# Altium PCB PCB1.PcbDoc (part 9 of 15) (continued)
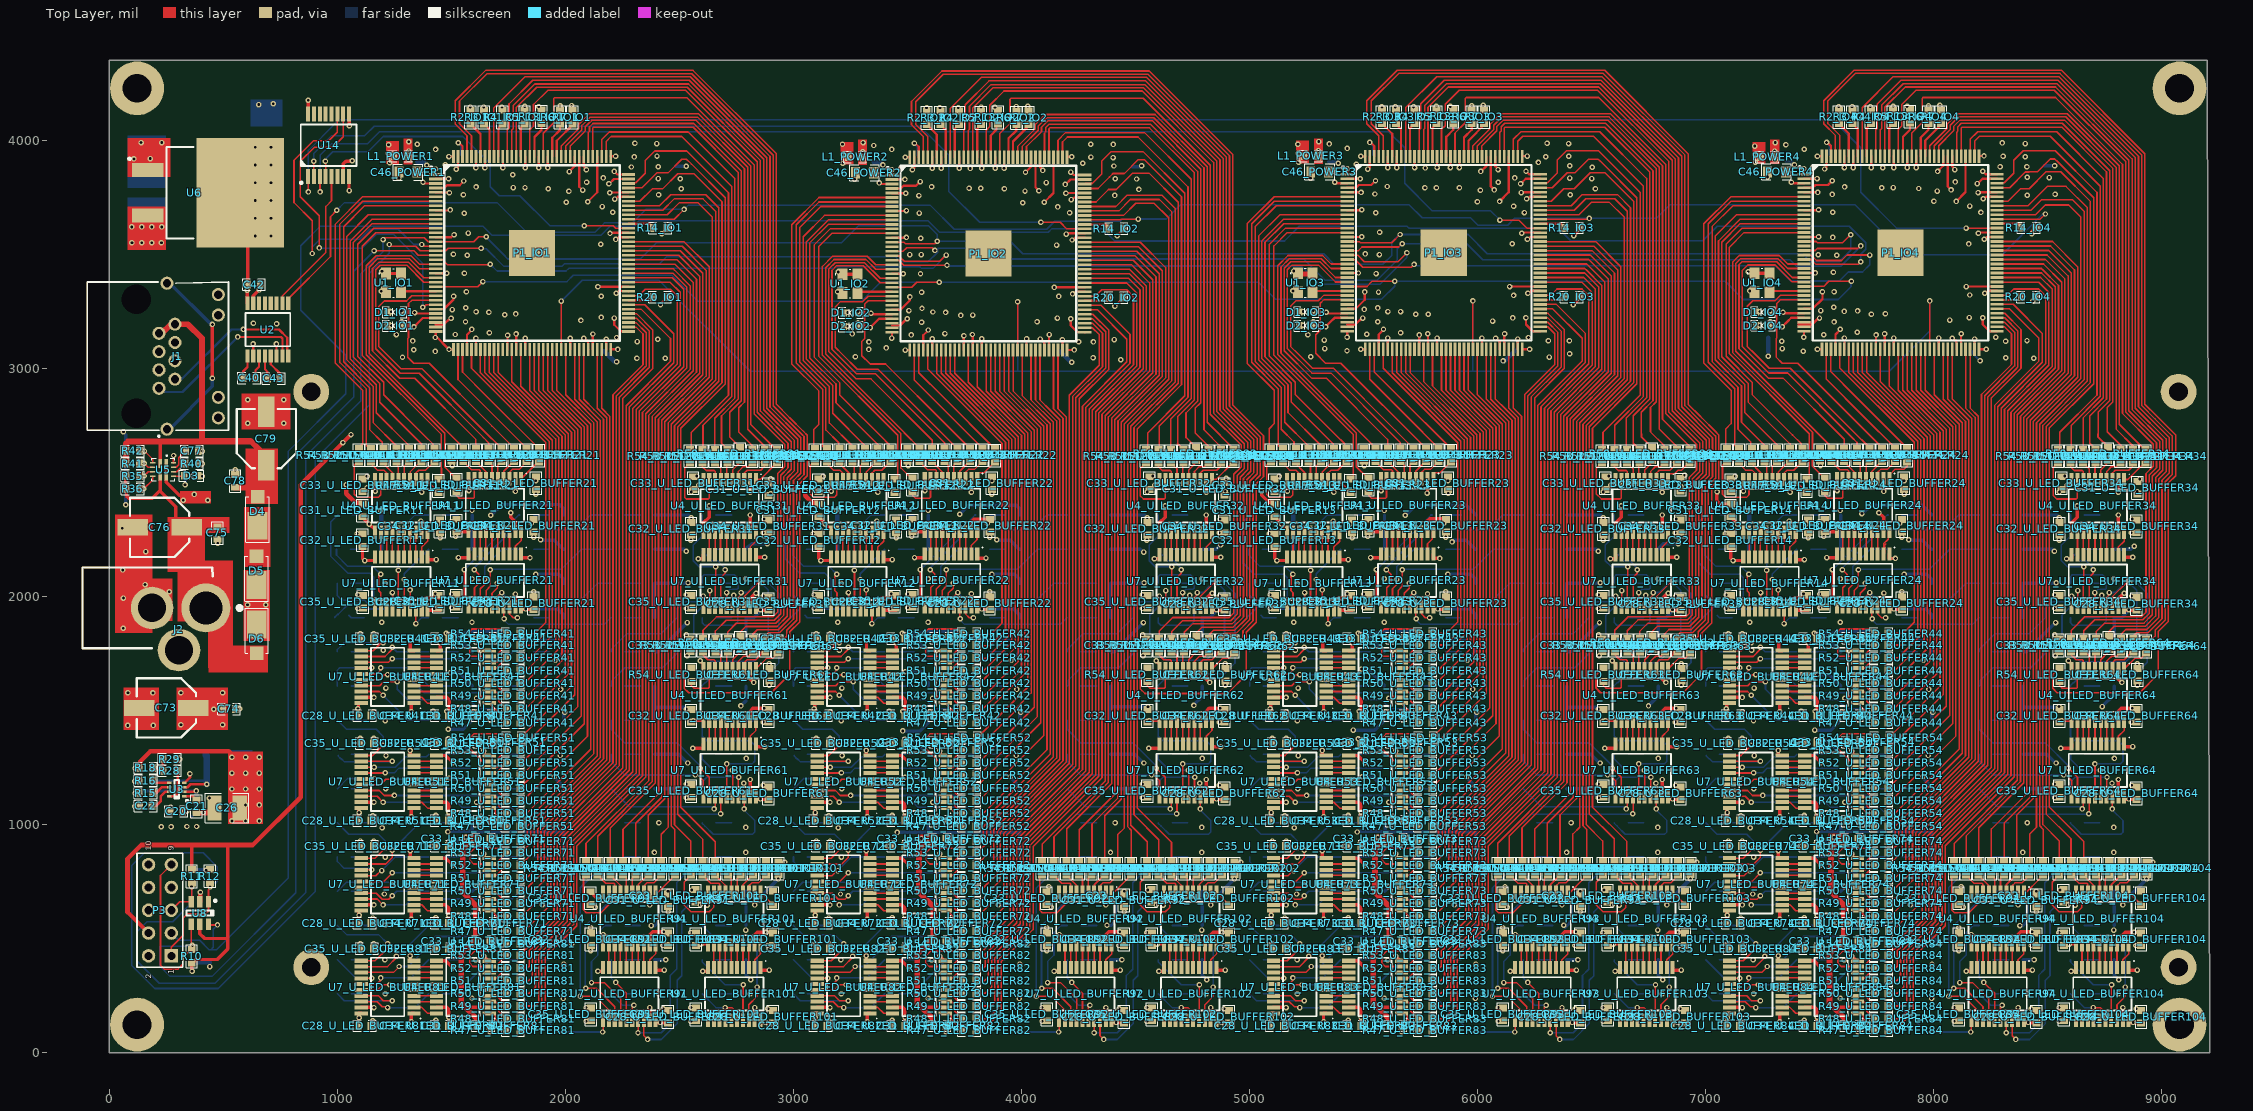
[diagram p0: Top Layer view]
## Nets (pads, with @x,y where several pads share a name; then routed paths per layer and width w, separated by ;. In a path a pad name is that pad's centre, name@x,y a point inside that pad or via, vN(x,y) a via of type N, cw(c..) or ccw(c..) an arc to the next point about the centre after c; other vN are vias at no path point) (continued)
NetD11_U_LED_BUFFER43_2: D11_U_LED_BUFFER43.2 R26_U_LED_BUFFER43.1 | length 68.5
  Bottom Layer w7: R26_U_LED_BUFFER43.1@5060.63,1607.16 D11_U_LED_BUFFER43.2@5129.14,1607.16
NetD11_U_LED_BUFFER44_2: D11_U_LED_BUFFER44.2 R26_U_LED_BUFFER44.1 | length 68.5
  Bottom Layer w7: R26_U_LED_BUFFER44.1@7060.63,1607.16 D11_U_LED_BUFFER44.2@7129.14,1607.16
NetD11_U_LED_BUFFER51_2: D11_U_LED_BUFFER51.2 R26_U_LED_BUFFER51.1 | length 68.5
  Bottom Layer w7: R26_U_LED_BUFFER51.1@1860.63,1307.16 D11_U_LED_BUFFER51.2@1929.14,1307.16
NetD11_U_LED_BUFFER52_2: D11_U_LED_BUFFER52.2 R26_U_LED_BUFFER52.1 | length 68.5
  Bottom Layer w7: R26_U_LED_BUFFER52.1@3860.63,1307.16 D11_U_LED_BUFFER52.2@3929.14,1307.16
NetD11_U_LED_BUFFER53_2: D11_U_LED_BUFFER53.2 R26_U_LED_BUFFER53.1 | length 68.5
  Bottom Layer w7: R26_U_LED_BUFFER53.1@5860.63,1307.16 D11_U_LED_BUFFER53.2@5929.14,1307.16
NetD11_U_LED_BUFFER54_2: D11_U_LED_BUFFER54.2 R26_U_LED_BUFFER54.1 | length 68.5
  Bottom Layer w7: R26_U_LED_BUFFER54.1@7860.63,1307.16 D11_U_LED_BUFFER54.2@7929.14,1307.16
NetD11_U_LED_BUFFER61_2: D11_U_LED_BUFFER61.2 R26_U_LED_BUFFER61.1 | length 68.5
  Bottom Layer w7: R26_U_LED_BUFFER61.1@2260.63,1007.16 D11_U_LED_BUFFER61.2@2329.14,1007.16
NetD11_U_LED_BUFFER62_2: D11_U_LED_BUFFER62.2 R26_U_LED_BUFFER62.1 | length 68.5
  Bottom Layer w7: R26_U_LED_BUFFER62.1@4260.63,1007.16 D11_U_LED_BUFFER62.2@4329.14,1007.16
NetD11_U_LED_BUFFER63_2: D11_U_LED_BUFFER63.2 R26_U_LED_BUFFER63.1 | length 68.5
  Bottom Layer w7: R26_U_LED_BUFFER63.1@6260.63,1007.16 D11_U_LED_BUFFER63.2@6329.14,1007.16
NetD11_U_LED_BUFFER64_2: D11_U_LED_BUFFER64.2 R26_U_LED_BUFFER64.1 | length 68.5
  Bottom Layer w7: R26_U_LED_BUFFER64.1@8260.63,1007.16 D11_U_LED_BUFFER64.2@8329.14,1007.16
NetD11_U_LED_BUFFER71_2: D11_U_LED_BUFFER71.2 R26_U_LED_BUFFER71.1 | length 68.5
  Bottom Layer w7: R26_U_LED_BUFFER71.1@1460.63,857.16 D11_U_LED_BUFFER71.2@1529.14,857.16
NetD11_U_LED_BUFFER72_2: D11_U_LED_BUFFER72.2 R26_U_LED_BUFFER72.1 | length 68.5
  Bottom Layer w7: R26_U_LED_BUFFER72.1@3460.63,857.16 D11_U_LED_BUFFER72.2@3529.14,857.16
NetD11_U_LED_BUFFER73_2: D11_U_LED_BUFFER73.2 R26_U_LED_BUFFER73.1 | length 68.5
  Bottom Layer w7: R26_U_LED_BUFFER73.1@5460.63,857.16 D11_U_LED_BUFFER73.2@5529.14,857.16
NetD11_U_LED_BUFFER74_2: D11_U_LED_BUFFER74.2 R26_U_LED_BUFFER74.1 | length 68.5
  Bottom Layer w7: R26_U_LED_BUFFER74.1@7460.63,857.16 D11_U_LED_BUFFER74.2@7529.14,857.16
NetD11_U_LED_BUFFER81_2: D11_U_LED_BUFFER81.2 R26_U_LED_BUFFER81.1 | length 68.5
  Bottom Layer w7: R26_U_LED_BUFFER81.1@1060.63,407.16 D11_U_LED_BUFFER81.2@1129.14,407.16
NetD11_U_LED_BUFFER82_2: D11_U_LED_BUFFER82.2 R26_U_LED_BUFFER82.1 | length 68.5
  Bottom Layer w7: R26_U_LED_BUFFER82.1@3060.63,407.16 D11_U_LED_BUFFER82.2@3129.14,407.16
NetD11_U_LED_BUFFER83_2: D11_U_LED_BUFFER83.2 R26_U_LED_BUFFER83.1 | length 68.5
  Bottom Layer w7: R26_U_LED_BUFFER83.1@5060.63,407.16 D11_U_LED_BUFFER83.2@5129.14,407.16
NetD11_U_LED_BUFFER84_2: D11_U_LED_BUFFER84.2 R26_U_LED_BUFFER84.1 | length 68.5
  Bottom Layer w7: R26_U_LED_BUFFER84.1@7060.63,407.16 D11_U_LED_BUFFER84.2@7129.14,407.16
NetD11_U_LED_BUFFER91_2: D11_U_LED_BUFFER91.2 R26_U_LED_BUFFER91.1 | length 68.5
  Bottom Layer w7: R26_U_LED_BUFFER91.1@2260.63,557.16 D11_U_LED_BUFFER91.2@2329.14,557.16
NetD11_U_LED_BUFFER92_2: D11_U_LED_BUFFER92.2 R26_U_LED_BUFFER92.1 | length 68.5
  Bottom Layer w7: R26_U_LED_BUFFER92.1@4260.63,557.16 D11_U_LED_BUFFER92.2@4329.14,557.16
NetD11_U_LED_BUFFER93_2: D11_U_LED_BUFFER93.2 R26_U_LED_BUFFER93.1 | length 68.5
  Bottom Layer w7: R26_U_LED_BUFFER93.1@6260.63,557.16 D11_U_LED_BUFFER93.2@6329.14,557.16
NetD11_U_LED_BUFFER94_2: D11_U_LED_BUFFER94.2 R26_U_LED_BUFFER94.1 | length 68.5
  Bottom Layer w7: R26_U_LED_BUFFER94.1@8260.63,557.16 D11_U_LED_BUFFER94.2@8329.14,557.16
NetD11_U_LED_BUFFER101_2: 
NetD11_U_LED_BUFFER102_2: 
NetD11_U_LED_BUFFER103_2: 
NetD11_U_LED_BUFFER104_2: 
NetD12_U_LED_BUFFER11_2: D12_U_LED_BUFFER11.2 R27_U_LED_BUFFER11.1 | length 68.5
  Bottom Layer w7: R27_U_LED_BUFFER11.1@1059.14,2057.16 D12_U_LED_BUFFER11.2@1127.64,2057.16
NetD12_U_LED_BUFFER12_2: D12_U_LED_BUFFER12.2 R27_U_LED_BUFFER12.1 | length 68.5
  Bottom Layer w7: R27_U_LED_BUFFER12.1@3059.14,2057.16 D12_U_LED_BUFFER12.2@3127.64,2057.16
NetD12_U_LED_BUFFER13_2: D12_U_LED_BUFFER13.2 R27_U_LED_BUFFER13.1 | length 68.5
  Bottom Layer w7: R27_U_LED_BUFFER13.1@5059.14,2057.16 D12_U_LED_BUFFER13.2@5127.64,2057.16
NetD12_U_LED_BUFFER14_2: D12_U_LED_BUFFER14.2 R27_U_LED_BUFFER14.1 | length 68.5
  Bottom Layer w7: R27_U_LED_BUFFER14.1@7059.14,2057.16 D12_U_LED_BUFFER14.2@7127.64,2057.16
NetD12_U_LED_BUFFER21_2: D12_U_LED_BUFFER21.2 R27_U_LED_BUFFER21.1 | length 68.5
  Bottom Layer w7: R27_U_LED_BUFFER21.1@1860.63,2207.16 D12_U_LED_BUFFER21.2@1929.14,2207.16
NetD12_U_LED_BUFFER22_2: D12_U_LED_BUFFER22.2 R27_U_LED_BUFFER22.1 | length 68.5
  Bottom Layer w7: R27_U_LED_BUFFER22.1@3860.63,2207.16 D12_U_LED_BUFFER22.2@3929.14,2207.16
NetD12_U_LED_BUFFER23_2: D12_U_LED_BUFFER23.2 R27_U_LED_BUFFER23.1 | length 68.5
  Bottom Layer w7: R27_U_LED_BUFFER23.1@5860.63,2207.16 D12_U_LED_BUFFER23.2@5929.14,2207.16
NetD12_U_LED_BUFFER24_2: D12_U_LED_BUFFER24.2 R27_U_LED_BUFFER24.1 | length 68.5
  Bottom Layer w7: R27_U_LED_BUFFER24.1@7860.63,2207.16 D12_U_LED_BUFFER24.2@7929.14,2207.16
NetD12_U_LED_BUFFER31_2: D12_U_LED_BUFFER31.2 R27_U_LED_BUFFER31.1 | length 68.5
  Bottom Layer w7: R27_U_LED_BUFFER31.1@2660.63,2357.16 D12_U_LED_BUFFER31.2@2729.14,2357.16
NetD12_U_LED_BUFFER32_2: D12_U_LED_BUFFER32.2 R27_U_LED_BUFFER32.1 | length 68.5
  Bottom Layer w7: R27_U_LED_BUFFER32.1@4660.63,2357.16 D12_U_LED_BUFFER32.2@4729.14,2357.16
NetD12_U_LED_BUFFER33_2: D12_U_LED_BUFFER33.2 R27_U_LED_BUFFER33.1 | length 68.5
  Bottom Layer w7: R27_U_LED_BUFFER33.1@6660.63,2357.16 D12_U_LED_BUFFER33.2@6729.14,2357.16
NetD12_U_LED_BUFFER34_2: D12_U_LED_BUFFER34.2 R27_U_LED_BUFFER34.1 | length 68.5
  Bottom Layer w7: R27_U_LED_BUFFER34.1@8660.63,2357.16 D12_U_LED_BUFFER34.2@8729.14,2357.16
NetD12_U_LED_BUFFER41_2: D12_U_LED_BUFFER41.2 R27_U_LED_BUFFER41.1 | length 68.5
  Bottom Layer w7: R27_U_LED_BUFFER41.1@1860.63,1757.16 D12_U_LED_BUFFER41.2@1929.14,1757.16
NetD12_U_LED_BUFFER42_2: D12_U_LED_BUFFER42.2 R27_U_LED_BUFFER42.1 | length 68.5
  Bottom Layer w7: R27_U_LED_BUFFER42.1@3860.63,1757.16 D12_U_LED_BUFFER42.2@3929.14,1757.16
NetD12_U_LED_BUFFER43_2: D12_U_LED_BUFFER43.2 R27_U_LED_BUFFER43.1 | length 68.5
  Bottom Layer w7: R27_U_LED_BUFFER43.1@5860.63,1757.16 D12_U_LED_BUFFER43.2@5929.14,1757.16
NetD12_U_LED_BUFFER44_2: D12_U_LED_BUFFER44.2 R27_U_LED_BUFFER44.1 | length 68.5
  Bottom Layer w7: R27_U_LED_BUFFER44.1@7860.63,1757.16 D12_U_LED_BUFFER44.2@7929.14,1757.16
NetD12_U_LED_BUFFER51_2: D12_U_LED_BUFFER51.2 R27_U_LED_BUFFER51.1 | length 68.5
  Bottom Layer w7: R27_U_LED_BUFFER51.1@1460.63,1307.16 D12_U_LED_BUFFER51.2@1529.14,1307.16
NetD12_U_LED_BUFFER52_2: D12_U_LED_BUFFER52.2 R27_U_LED_BUFFER52.1 | length 68.5
  Bottom Layer w7: R27_U_LED_BUFFER52.1@3460.63,1307.16 D12_U_LED_BUFFER52.2@3529.14,1307.16
NetD12_U_LED_BUFFER53_2: D12_U_LED_BUFFER53.2 R27_U_LED_BUFFER53.1 | length 68.5
  Bottom Layer w7: R27_U_LED_BUFFER53.1@5460.63,1307.16 D12_U_LED_BUFFER53.2@5529.14,1307.16
NetD12_U_LED_BUFFER54_2: D12_U_LED_BUFFER54.2 R27_U_LED_BUFFER54.1 | length 68.5
  Bottom Layer w7: R27_U_LED_BUFFER54.1@7460.63,1307.16 D12_U_LED_BUFFER54.2@7529.14,1307.16
NetD12_U_LED_BUFFER61_2: D12_U_LED_BUFFER61.2 R27_U_LED_BUFFER61.1 | length 68.5
  Bottom Layer w7: R27_U_LED_BUFFER61.1@2260.63,1157.16 D12_U_LED_BUFFER61.2@2329.14,1157.16
NetD12_U_LED_BUFFER62_2: D12_U_LED_BUFFER62.2 R27_U_LED_BUFFER62.1 | length 68.5
  Bottom Layer w7: R27_U_LED_BUFFER62.1@4260.63,1157.16 D12_U_LED_BUFFER62.2@4329.14,1157.16
NetD12_U_LED_BUFFER63_2: D12_U_LED_BUFFER63.2 R27_U_LED_BUFFER63.1 | length 68.5
  Bottom Layer w7: R27_U_LED_BUFFER63.1@6260.63,1157.16 D12_U_LED_BUFFER63.2@6329.14,1157.16
NetD12_U_LED_BUFFER64_2: D12_U_LED_BUFFER64.2 R27_U_LED_BUFFER64.1 | length 68.5
  Bottom Layer w7: R27_U_LED_BUFFER64.1@8260.63,1157.16 D12_U_LED_BUFFER64.2@8329.14,1157.16
NetD12_U_LED_BUFFER71_2: D12_U_LED_BUFFER71.2 R27_U_LED_BUFFER71.1 | length 68.5
  Bottom Layer w7: R27_U_LED_BUFFER71.1@1060.63,857.16 D12_U_LED_BUFFER71.2@1129.14,857.16
NetD12_U_LED_BUFFER72_2: D12_U_LED_BUFFER72.2 R27_U_LED_BUFFER72.1 | length 68.5
  Bottom Layer w7: R27_U_LED_BUFFER72.1@3060.63,857.16 D12_U_LED_BUFFER72.2@3129.14,857.16
NetD12_U_LED_BUFFER73_2: D12_U_LED_BUFFER73.2 R27_U_LED_BUFFER73.1 | length 68.5
  Bottom Layer w7: R27_U_LED_BUFFER73.1@5060.63,857.16 D12_U_LED_BUFFER73.2@5129.14,857.16
NetD12_U_LED_BUFFER74_2: D12_U_LED_BUFFER74.2 R27_U_LED_BUFFER74.1 | length 68.5
  Bottom Layer w7: R27_U_LED_BUFFER74.1@7060.63,857.16 D12_U_LED_BUFFER74.2@7129.14,857.16
NetD12_U_LED_BUFFER81_2: D12_U_LED_BUFFER81.2 R27_U_LED_BUFFER81.1 | length 68.5
  Bottom Layer w7: R27_U_LED_BUFFER81.1@1860.63,557.16 D12_U_LED_BUFFER81.2@1929.14,557.16
NetD12_U_LED_BUFFER82_2: D12_U_LED_BUFFER82.2 R27_U_LED_BUFFER82.1 | length 68.5
  Bottom Layer w7: R27_U_LED_BUFFER82.1@3860.63,557.16 D12_U_LED_BUFFER82.2@3929.14,557.16
NetD12_U_LED_BUFFER83_2: D12_U_LED_BUFFER83.2 R27_U_LED_BUFFER83.1 | length 68.5
  Bottom Layer w7: R27_U_LED_BUFFER83.1@5860.63,557.16 D12_U_LED_BUFFER83.2@5929.14,557.16
NetD12_U_LED_BUFFER84_2: D12_U_LED_BUFFER84.2 R27_U_LED_BUFFER84.1 | length 68.5
  Bottom Layer w7: R27_U_LED_BUFFER84.1@7860.63,557.16 D12_U_LED_BUFFER84.2@7929.14,557.16
NetD12_U_LED_BUFFER91_2: D12_U_LED_BUFFER91.2 R27_U_LED_BUFFER91.1 | length 68.5
  Bottom Layer w7: R27_U_LED_BUFFER91.1@2260.63,707.16 D12_U_LED_BUFFER91.2@2329.14,707.16
NetD12_U_LED_BUFFER92_2: D12_U_LED_BUFFER92.2 R27_U_LED_BUFFER92.1 | length 68.5
  Bottom Layer w7: R27_U_LED_BUFFER92.1@4260.63,707.16 D12_U_LED_BUFFER92.2@4329.14,707.16
NetD12_U_LED_BUFFER93_2: D12_U_LED_BUFFER93.2 R27_U_LED_BUFFER93.1 | length 68.5
  Bottom Layer w7: R27_U_LED_BUFFER93.1@6260.63,707.16 D12_U_LED_BUFFER93.2@6329.14,707.16
NetD12_U_LED_BUFFER94_2: D12_U_LED_BUFFER94.2 R27_U_LED_BUFFER94.1 | length 68.5
  Bottom Layer w7: R27_U_LED_BUFFER94.1@8260.63,707.16 D12_U_LED_BUFFER94.2@8329.14,707.16
NetD12_U_LED_BUFFER101_2: 
NetD12_U_LED_BUFFER102_2: 
NetD12_U_LED_BUFFER103_2: 
NetD12_U_LED_BUFFER104_2: 
NetD13_U_LED_BUFFER11_2: D13_U_LED_BUFFER11.2 R45_U_LED_BUFFER11.1 | length 68.5
  Bottom Layer w7: R45_U_LED_BUFFER11.1@1056.43,2207.13 D13_U_LED_BUFFER11.2@1124.93,2207.13
NetD13_U_LED_BUFFER12_2: D13_U_LED_BUFFER12.2 R45_U_LED_BUFFER12.1 | length 68.5
  Bottom Layer w7: R45_U_LED_BUFFER12.1@3056.43,2207.13 D13_U_LED_BUFFER12.2@3124.93,2207.13
NetD13_U_LED_BUFFER13_2: D13_U_LED_BUFFER13.2 R45_U_LED_BUFFER13.1 | length 68.5
  Bottom Layer w7: R45_U_LED_BUFFER13.1@5056.43,2207.13 D13_U_LED_BUFFER13.2@5124.93,2207.13
NetD13_U_LED_BUFFER14_2: D13_U_LED_BUFFER14.2 R45_U_LED_BUFFER14.1 | length 68.5
  Bottom Layer w7: R45_U_LED_BUFFER14.1@7056.43,2207.13 D13_U_LED_BUFFER14.2@7124.93,2207.13
NetD13_U_LED_BUFFER21_2: D13_U_LED_BUFFER21.2 R45_U_LED_BUFFER21.1 | length 68.5
  Bottom Layer w7: R45_U_LED_BUFFER21.1@2260.63,2357.16 D13_U_LED_BUFFER21.2@2329.14,2357.16
NetD13_U_LED_BUFFER22_2: D13_U_LED_BUFFER22.2 R45_U_LED_BUFFER22.1 | length 68.5
  Bottom Layer w7: R45_U_LED_BUFFER22.1@4260.63,2357.16 D13_U_LED_BUFFER22.2@4329.14,2357.16
NetD13_U_LED_BUFFER23_2: D13_U_LED_BUFFER23.2 R45_U_LED_BUFFER23.1 | length 68.5
  Bottom Layer w7: R45_U_LED_BUFFER23.1@6260.63,2357.16 D13_U_LED_BUFFER23.2@6329.14,2357.16
NetD13_U_LED_BUFFER24_2: D13_U_LED_BUFFER24.2 R45_U_LED_BUFFER24.1 | length 68.5
  Bottom Layer w7: R45_U_LED_BUFFER24.1@8260.63,2357.16 D13_U_LED_BUFFER24.2@8329.14,2357.16
NetD13_U_LED_BUFFER31_2: D13_U_LED_BUFFER31.2 R45_U_LED_BUFFER31.1 | length 68.5
  Bottom Layer w7: R45_U_LED_BUFFER31.1@2260.63,1607.16 D13_U_LED_BUFFER31.2@2329.14,1607.16
NetD13_U_LED_BUFFER32_2: D13_U_LED_BUFFER32.2 R45_U_LED_BUFFER32.1 | length 68.5
  Bottom Layer w7: R45_U_LED_BUFFER32.1@4260.63,1607.16 D13_U_LED_BUFFER32.2@4329.14,1607.16
NetD13_U_LED_BUFFER33_2: D13_U_LED_BUFFER33.2 R45_U_LED_BUFFER33.1 | length 68.5
  Bottom Layer w7: R45_U_LED_BUFFER33.1@6260.63,1607.16 D13_U_LED_BUFFER33.2@6329.14,1607.16
NetD13_U_LED_BUFFER34_2: D13_U_LED_BUFFER34.2 R45_U_LED_BUFFER34.1 | length 68.5
  Bottom Layer w7: R45_U_LED_BUFFER34.1@8260.63,1607.16 D13_U_LED_BUFFER34.2@8329.14,1607.16
NetD13_U_LED_BUFFER41_2: D13_U_LED_BUFFER41.2 R45_U_LED_BUFFER41.1 | length 68.5
  Bottom Layer w7: R45_U_LED_BUFFER41.1@1460.63,1757.16 D13_U_LED_BUFFER41.2@1529.14,1757.16
NetD13_U_LED_BUFFER42_2: D13_U_LED_BUFFER42.2 R45_U_LED_BUFFER42.1 | length 68.5
  Bottom Layer w7: R45_U_LED_BUFFER42.1@3460.63,1757.16 D13_U_LED_BUFFER42.2@3529.14,1757.16
NetD13_U_LED_BUFFER43_2: D13_U_LED_BUFFER43.2 R45_U_LED_BUFFER43.1 | length 68.5
  Bottom Layer w7: R45_U_LED_BUFFER43.1@5460.63,1757.16 D13_U_LED_BUFFER43.2@5529.14,1757.16
NetD13_U_LED_BUFFER44_2: D13_U_LED_BUFFER44.2 R45_U_LED_BUFFER44.1 | length 68.5
  Bottom Layer w7: R45_U_LED_BUFFER44.1@7460.63,1757.16 D13_U_LED_BUFFER44.2@7529.14,1757.16
NetD13_U_LED_BUFFER51_2: D13_U_LED_BUFFER51.2 R45_U_LED_BUFFER51.1 | length 68.5
  Bottom Layer w7: R45_U_LED_BUFFER51.1@1060.63,1307.16 D13_U_LED_BUFFER51.2@1129.14,1307.16
NetD13_U_LED_BUFFER52_2: D13_U_LED_BUFFER52.2 R45_U_LED_BUFFER52.1 | length 68.5
  Bottom Layer w7: R45_U_LED_BUFFER52.1@3060.63,1307.16 D13_U_LED_BUFFER52.2@3129.14,1307.16
NetD13_U_LED_BUFFER53_2: D13_U_LED_BUFFER53.2 R45_U_LED_BUFFER53.1 | length 68.5
  Bottom Layer w7: R45_U_LED_BUFFER53.1@5060.63,1307.16 D13_U_LED_BUFFER53.2@5129.14,1307.16
NetD13_U_LED_BUFFER54_2: D13_U_LED_BUFFER54.2 R45_U_LED_BUFFER54.1 | length 68.5
  Bottom Layer w7: R45_U_LED_BUFFER54.1@7060.63,1307.16 D13_U_LED_BUFFER54.2@7129.14,1307.16
NetD13_U_LED_BUFFER61_2: D13_U_LED_BUFFER61.2 R45_U_LED_BUFFER61.1 | length 68.5
  Bottom Layer w7: R45_U_LED_BUFFER61.1@2260.63,1457.16 D13_U_LED_BUFFER61.2@2329.14,1457.16
NetD13_U_LED_BUFFER62_2: D13_U_LED_BUFFER62.2 R45_U_LED_BUFFER62.1 | length 68.5
  Bottom Layer w7: R45_U_LED_BUFFER62.1@4260.63,1457.16 D13_U_LED_BUFFER62.2@4329.14,1457.16
NetD13_U_LED_BUFFER63_2: D13_U_LED_BUFFER63.2 R45_U_LED_BUFFER63.1 | length 68.5
  Bottom Layer w7: R45_U_LED_BUFFER63.1@6260.63,1457.16 D13_U_LED_BUFFER63.2@6329.14,1457.16
NetD13_U_LED_BUFFER64_2: D13_U_LED_BUFFER64.2 R45_U_LED_BUFFER64.1 | length 68.5
  Bottom Layer w7: R45_U_LED_BUFFER64.1@8260.63,1457.16 D13_U_LED_BUFFER64.2@8329.14,1457.16
NetD13_U_LED_BUFFER71_2: D13_U_LED_BUFFER71.2 R45_U_LED_BUFFER71.1 | length 68.5
  Bottom Layer w7: R45_U_LED_BUFFER71.1@1460.63,1007.16 D13_U_LED_BUFFER71.2@1529.14,1007.16
NetD13_U_LED_BUFFER72_2: D13_U_LED_BUFFER72.2 R45_U_LED_BUFFER72.1 | length 68.5
  Bottom Layer w7: R45_U_LED_BUFFER72.1@3460.63,1007.16 D13_U_LED_BUFFER72.2@3529.14,1007.16
NetD13_U_LED_BUFFER73_2: D13_U_LED_BUFFER73.2 R45_U_LED_BUFFER73.1 | length 68.5
  Bottom Layer w7: R45_U_LED_BUFFER73.1@5460.63,1007.16 D13_U_LED_BUFFER73.2@5529.14,1007.16
NetD13_U_LED_BUFFER74_2: D13_U_LED_BUFFER74.2 R45_U_LED_BUFFER74.1 | length 68.5
  Bottom Layer w7: R45_U_LED_BUFFER74.1@7460.63,1007.16 D13_U_LED_BUFFER74.2@7529.14,1007.16
NetD13_U_LED_BUFFER81_2: D13_U_LED_BUFFER81.2 R45_U_LED_BUFFER81.1 | length 68.5
  Bottom Layer w7: R45_U_LED_BUFFER81.1@1460.63,557.16 D13_U_LED_BUFFER81.2@1529.14,557.16
NetD13_U_LED_BUFFER82_2: D13_U_LED_BUFFER82.2 R45_U_LED_BUFFER82.1 | length 68.5
  Bottom Layer w7: R45_U_LED_BUFFER82.1@3460.63,557.16 D13_U_LED_BUFFER82.2@3529.14,557.16
NetD13_U_LED_BUFFER83_2: D13_U_LED_BUFFER83.2 R45_U_LED_BUFFER83.1 | length 68.5
  Bottom Layer w7: R45_U_LED_BUFFER83.1@5460.63,557.16 D13_U_LED_BUFFER83.2@5529.14,557.16
NetD13_U_LED_BUFFER84_2: D13_U_LED_BUFFER84.2 R45_U_LED_BUFFER84.1 | length 68.5
  Bottom Layer w7: R45_U_LED_BUFFER84.1@7460.63,557.16 D13_U_LED_BUFFER84.2@7529.14,557.16
NetD13_U_LED_BUFFER91_2: D13_U_LED_BUFFER91.2 R45_U_LED_BUFFER91.1 | length 68.5
  Bottom Layer w7: R45_U_LED_BUFFER91.1@2260.63,857.16 D13_U_LED_BUFFER91.2@2329.14,857.16
NetD13_U_LED_BUFFER92_2: D13_U_LED_BUFFER92.2 R45_U_LED_BUFFER92.1 | length 68.5
  Bottom Layer w7: R45_U_LED_BUFFER92.1@4260.63,857.16 D13_U_LED_BUFFER92.2@4329.14,857.16
NetD13_U_LED_BUFFER93_2: D13_U_LED_BUFFER93.2 R45_U_LED_BUFFER93.1 | length 68.5
  Bottom Layer w7: R45_U_LED_BUFFER93.1@6260.63,857.16 D13_U_LED_BUFFER93.2@6329.14,857.16
NetD13_U_LED_BUFFER94_2: D13_U_LED_BUFFER94.2 R45_U_LED_BUFFER94.1 | length 68.5
  Bottom Layer w7: R45_U_LED_BUFFER94.1@8260.63,857.16 D13_U_LED_BUFFER94.2@8329.14,857.16
NetD13_U_LED_BUFFER101_2: 
NetD13_U_LED_BUFFER102_2: 
NetD13_U_LED_BUFFER103_2: 
NetD13_U_LED_BUFFER104_2: 
NetD14_U_LED_BUFFER11_2: D14_U_LED_BUFFER11.2 R46_U_LED_BUFFER11.1 | length 68.5
  Bottom Layer w7: R46_U_LED_BUFFER11.1@1063.33,2357.99 D14_U_LED_BUFFER11.2@1131.83,2357.99
NetD14_U_LED_BUFFER12_2: D14_U_LED_BUFFER12.2 R46_U_LED_BUFFER12.1 | length 68.5
  Bottom Layer w7: R46_U_LED_BUFFER12.1@3063.33,2357.99 D14_U_LED_BUFFER12.2@3131.83,2357.99
NetD14_U_LED_BUFFER13_2: D14_U_LED_BUFFER13.2 R46_U_LED_BUFFER13.1 | length 68.5
  Bottom Layer w7: R46_U_LED_BUFFER13.1@5063.33,2357.99 D14_U_LED_BUFFER13.2@5131.83,2357.99
NetD14_U_LED_BUFFER14_2: D14_U_LED_BUFFER14.2 R46_U_LED_BUFFER14.1 | length 68.5
  Bottom Layer w7: R46_U_LED_BUFFER14.1@7063.33,2357.99 D14_U_LED_BUFFER14.2@7131.83,2357.99
NetD14_U_LED_BUFFER21_2: D14_U_LED_BUFFER21.2 R46_U_LED_BUFFER21.1 | length 68.5
  Bottom Layer w7: R46_U_LED_BUFFER21.1@1860.63,2357.16 D14_U_LED_BUFFER21.2@1929.14,2357.16
NetD14_U_LED_BUFFER22_2: D14_U_LED_BUFFER22.2 R46_U_LED_BUFFER22.1 | length 68.5
  Bottom Layer w7: R46_U_LED_BUFFER22.1@3860.63,2357.16 D14_U_LED_BUFFER22.2@3929.14,2357.16
NetD14_U_LED_BUFFER23_2: D14_U_LED_BUFFER23.2 R46_U_LED_BUFFER23.1 | length 68.5
  Bottom Layer w7: R46_U_LED_BUFFER23.1@5860.63,2357.16 D14_U_LED_BUFFER23.2@5929.14,2357.16
NetD14_U_LED_BUFFER24_2: D14_U_LED_BUFFER24.2 R46_U_LED_BUFFER24.1 | length 68.5
  Bottom Layer w7: R46_U_LED_BUFFER24.1@7860.63,2357.16 D14_U_LED_BUFFER24.2@7929.14,2357.16
NetD14_U_LED_BUFFER31_2: D14_U_LED_BUFFER31.2 R46_U_LED_BUFFER31.1 | length 68.5
  Bottom Layer w7: R46_U_LED_BUFFER31.1@2260.63,1757.16 D14_U_LED_BUFFER31.2@2329.14,1757.16
NetD14_U_LED_BUFFER32_2: D14_U_LED_BUFFER32.2 R46_U_LED_BUFFER32.1 | length 68.5
  Bottom Layer w7: R46_U_LED_BUFFER32.1@4260.63,1757.16 D14_U_LED_BUFFER32.2@4329.14,1757.16
NetD14_U_LED_BUFFER33_2: D14_U_LED_BUFFER33.2 R46_U_LED_BUFFER33.1 | length 68.5
  Bottom Layer w7: R46_U_LED_BUFFER33.1@6260.63,1757.16 D14_U_LED_BUFFER33.2@6329.14,1757.16
NetD14_U_LED_BUFFER34_2: D14_U_LED_BUFFER34.2 R46_U_LED_BUFFER34.1 | length 68.5
  Bottom Layer w7: R46_U_LED_BUFFER34.1@8260.63,1757.16 D14_U_LED_BUFFER34.2@8329.14,1757.16
NetD14_U_LED_BUFFER41_2: D14_U_LED_BUFFER41.2 R46_U_LED_BUFFER41.1 | length 68.5
  Bottom Layer w7: R46_U_LED_BUFFER41.1@1060.63,1757.16 D14_U_LED_BUFFER41.2@1129.14,1757.16
NetD14_U_LED_BUFFER42_2: D14_U_LED_BUFFER42.2 R46_U_LED_BUFFER42.1 | length 68.5
  Bottom Layer w7: R46_U_LED_BUFFER42.1@3060.63,1757.16 D14_U_LED_BUFFER42.2@3129.14,1757.16
NetD14_U_LED_BUFFER43_2: D14_U_LED_BUFFER43.2 R46_U_LED_BUFFER43.1 | length 68.5
  Bottom Layer w7: R46_U_LED_BUFFER43.1@5060.63,1757.16 D14_U_LED_BUFFER43.2@5129.14,1757.16
NetD14_U_LED_BUFFER44_2: D14_U_LED_BUFFER44.2 R46_U_LED_BUFFER44.1 | length 68.5
  Bottom Layer w7: R46_U_LED_BUFFER44.1@7060.63,1757.16 D14_U_LED_BUFFER44.2@7129.14,1757.16
NetD14_U_LED_BUFFER51_2: D14_U_LED_BUFFER51.2 R46_U_LED_BUFFER51.1 | length 68.5
  Bottom Layer w7: R46_U_LED_BUFFER51.1@1060.63,1457.16 D14_U_LED_BUFFER51.2@1129.14,1457.16
NetD14_U_LED_BUFFER52_2: D14_U_LED_BUFFER52.2 R46_U_LED_BUFFER52.1 | length 68.5
  Bottom Layer w7: R46_U_LED_BUFFER52.1@3060.63,1457.16 D14_U_LED_BUFFER52.2@3129.14,1457.16
NetD14_U_LED_BUFFER53_2: D14_U_LED_BUFFER53.2 R46_U_LED_BUFFER53.1 | length 68.5
  Bottom Layer w7: R46_U_LED_BUFFER53.1@5060.63,1457.16 D14_U_LED_BUFFER53.2@5129.14,1457.16
NetD14_U_LED_BUFFER54_2: D14_U_LED_BUFFER54.2 R46_U_LED_BUFFER54.1 | length 68.5
  Bottom Layer w7: R46_U_LED_BUFFER54.1@7060.63,1457.16 D14_U_LED_BUFFER54.2@7129.14,1457.16
NetD14_U_LED_BUFFER61_2: D14_U_LED_BUFFER61.2 R46_U_LED_BUFFER61.1 | length 68.5
  Bottom Layer w7: R46_U_LED_BUFFER61.1@2260.63,1307.16 D14_U_LED_BUFFER61.2@2329.14,1307.16
NetD14_U_LED_BUFFER62_2: D14_U_LED_BUFFER62.2 R46_U_LED_BUFFER62.1 | length 68.5
  Bottom Layer w7: R46_U_LED_BUFFER62.1@4260.63,1307.16 D14_U_LED_BUFFER62.2@4329.14,1307.16
NetD14_U_LED_BUFFER63_2: D14_U_LED_BUFFER63.2 R46_U_LED_BUFFER63.1 | length 68.5
  Bottom Layer w7: R46_U_LED_BUFFER63.1@6260.63,1307.16 D14_U_LED_BUFFER63.2@6329.14,1307.16
NetD14_U_LED_BUFFER64_2: D14_U_LED_BUFFER64.2 R46_U_LED_BUFFER64.1 | length 68.5
  Bottom Layer w7: R46_U_LED_BUFFER64.1@8260.63,1307.16 D14_U_LED_BUFFER64.2@8329.14,1307.16
NetD14_U_LED_BUFFER71_2: D14_U_LED_BUFFER71.2 R46_U_LED_BUFFER71.1 | length 68.5
  Bottom Layer w7: R46_U_LED_BUFFER71.1@1060.63,1007.16 D14_U_LED_BUFFER71.2@1129.14,1007.16
NetD14_U_LED_BUFFER72_2: D14_U_LED_BUFFER72.2 R46_U_LED_BUFFER72.1 | length 68.5
  Bottom Layer w7: R46_U_LED_BUFFER72.1@3060.63,1007.16 D14_U_LED_BUFFER72.2@3129.14,1007.16
NetD14_U_LED_BUFFER73_2: D14_U_LED_BUFFER73.2 R46_U_LED_BUFFER73.1 | length 68.5
  Bottom Layer w7: R46_U_LED_BUFFER73.1@5060.63,1007.16 D14_U_LED_BUFFER73.2@5129.14,1007.16
NetD14_U_LED_BUFFER74_2: D14_U_LED_BUFFER74.2 R46_U_LED_BUFFER74.1 | length 68.5
  Bottom Layer w7: R46_U_LED_BUFFER74.1@7060.63,1007.16 D14_U_LED_BUFFER74.2@7129.14,1007.16
NetD14_U_LED_BUFFER81_2: D14_U_LED_BUFFER81.2 R46_U_LED_BUFFER81.1 | length 68.5
  Bottom Layer w7: R46_U_LED_BUFFER81.1@1060.63,557.16 D14_U_LED_BUFFER81.2@1129.14,557.16
NetD14_U_LED_BUFFER82_2: D14_U_LED_BUFFER82.2 R46_U_LED_BUFFER82.1 | length 68.5
  Bottom Layer w7: R46_U_LED_BUFFER82.1@3060.63,557.16 D14_U_LED_BUFFER82.2@3129.14,557.16
NetD14_U_LED_BUFFER83_2: D14_U_LED_BUFFER83.2 R46_U_LED_BUFFER83.1 | length 68.5
  Bottom Layer w7: R46_U_LED_BUFFER83.1@5060.63,557.16 D14_U_LED_BUFFER83.2@5129.14,557.16
NetD14_U_LED_BUFFER84_2: D14_U_LED_BUFFER84.2 R46_U_LED_BUFFER84.1 | length 68.5
  Bottom Layer w7: R46_U_LED_BUFFER84.1@7060.63,557.16 D14_U_LED_BUFFER84.2@7129.14,557.16
NetD14_U_LED_BUFFER91_2: D14_U_LED_BUFFER91.2 R46_U_LED_BUFFER91.1 | length 68.5
  Bottom Layer w7: R46_U_LED_BUFFER91.1@1860.63,257.16 D14_U_LED_BUFFER91.2@1929.14,257.16
NetD14_U_LED_BUFFER92_2: D14_U_LED_BUFFER92.2 R46_U_LED_BUFFER92.1 | length 68.5
  Bottom Layer w7: R46_U_LED_BUFFER92.1@3860.63,257.16 D14_U_LED_BUFFER92.2@3929.14,257.16
NetD14_U_LED_BUFFER93_2: D14_U_LED_BUFFER93.2 R46_U_LED_BUFFER93.1 | length 68.5
  Bottom Layer w7: R46_U_LED_BUFFER93.1@5860.63,257.16 D14_U_LED_BUFFER93.2@5929.14,257.16
NetD14_U_LED_BUFFER94_2: D14_U_LED_BUFFER94.2 R46_U_LED_BUFFER94.1 | length 68.5
  Bottom Layer w7: R46_U_LED_BUFFER94.1@7860.63,257.16 D14_U_LED_BUFFER94.2@7929.14,257.16
NetD14_U_LED_BUFFER101_2: 
NetD14_U_LED_BUFFER102_2: 
NetD14_U_LED_BUFFER103_2: 
NetD14_U_LED_BUFFER104_2: 
NetP1_IO1_15: P1_IO1.15 R1_IO1.2 | length 85.1
  Top Layer w10: P1_IO1.15@1431.34,3575.01 1499.18,3575.01 1509.82,3585.64 v2(1512.04,3585.64)
NetP1_IO1_121: P1_IO1.121 R7_IO1.2 | length 174.1
  Top Layer w10: P1_IO1.121@1962.37,3928.87 1962.37,3997.9 2036.33,4071.87 R7_IO1.2@2036.83,4071.87
NetP1_IO1_122: P1_IO1.122 R6_IO1.2 | length 157.1
  Top Layer w10: P1_IO1.122@1942.68,3928.87 1942.68,4011.57 1976.83,4045.72 R6_IO1.2@1976.83,4071.87
NetP1_IO1_126: P1_IO1.126 R13_IO1.2 | length 158.2
  Top Layer w10: P1_IO1.126@1863.94,3928.87 1864.64,3929.56 1864.64,4014.45 1895.83,4045.64 R13_IO1.2@1895.83,4073.87
NetP1_IO1_129: P1_IO1.129 R5_IO1.2 | length 150
  Top Layer w10: P1_IO1.129@1804.89,3928.87 1804.89,4054.92 R5_IO1.2@1821.83,4071.87
NetP1_IO1_134: P1_IO1.134 R4_IO1.2 | length 150.6
  Top Layer w10: P1_IO1.134@1706.46,3928.87 1706.46,4053.5 R4_IO1.2@1724.83,4071.87
NetP1_IO1_136: P1_IO1.136 R3_IO1.2 | length 152.6
  Top Layer w10: R3_IO1.2@1643.83,4071.87 1667.09,4048.61 P1_IO1.136@1667.09,3928.87
NetP1_IO1_138: P1_IO1.138 R2_IO1.2 | length 161.2
  Top Layer w10: R2_IO1.2@1583.83,4071.87 1627.72,4027.98 P1_IO1.138@1627.72,3928.87
NetP1_IO2_15: P1_IO2.15 R1_IO2.2 | length 64.2
  Top Layer w10: P1_IO2.15@3432.44,3572.41 3494.18,3572.41 v2(3495.93,3574.16)
NetP1_IO2_121: P1_IO2.121 R7_IO2.2 | length 174.1
  Top Layer w10: P1_IO2.121@3963.47,3926.27 3963.47,3995.3 4037.43,4069.27 R7_IO2.2@4037.93,4069.27
NetP1_IO2_122: P1_IO2.122 R6_IO2.2 | length 157.1
  Top Layer w10: P1_IO2.122@3943.78,3926.27 3943.78,4008.97 3977.93,4043.12 R6_IO2.2@3977.93,4069.27
NetP1_IO2_126: P1_IO2.126 R13_IO2.2 | length 158.2
  Top Layer w10: P1_IO2.126@3865.04,3926.27 3865.74,3926.96 3865.74,4021.68 3891.19,4047.12 3891.19,4065.52 R13_IO2.2@3896.93,4071.27
NetP1_IO2_129: P1_IO2.129 R5_IO2.2 | length 150
  Top Layer w10: P1_IO2.129@3805.99,3926.27 3805.99,4052.32 R5_IO2.2@3822.93,4069.27
NetP1_IO2_134: P1_IO2.134 R4_IO2.2 | length 150.6
  Top Layer w10: P1_IO2.134@3707.56,3926.27 3707.56,4050.9 R4_IO2.2@3725.93,4069.27
NetP1_IO2_136: P1_IO2.136 R3_IO2.2 | length 152.6
  Top Layer w10: R3_IO2.2@3644.93,4069.27 3668.19,4046.01 P1_IO2.136@3668.19,3926.27
NetP1_IO2_138: P1_IO2.138 R2_IO2.2 | length 161.2
  Top Layer w10: R2_IO2.2@3584.93,4069.27 3628.82,4025.38 P1_IO2.138@3628.82,3926.27
NetP1_IO3_15: P1_IO3.15 R1_IO3.2 | length 64.2
  Top Layer w10: P1_IO3.15@5429.34,3575.86 5491.08,3575.86 v2(5492.83,3577.6)
NetP1_IO3_121: P1_IO3.121 R7_IO3.2 | length 174.1
  Top Layer w10: P1_IO3.121@5960.37,3929.72 5960.37,3998.75 6034.33,4072.72 R7_IO3.2@6034.83,4072.72
NetP1_IO3_122: P1_IO3.122 R6_IO3.2 | length 157.1
  Top Layer w10: P1_IO3.122@5940.68,3929.72 5940.68,4012.42 5974.83,4046.57 R6_IO3.2@5974.83,4072.72
NetP1_IO3_126: P1_IO3.126 R13_IO3.2 | length 158.2
  Top Layer w10: P1_IO3.126@5861.94,3929.72 5862.64,3930.41 5862.64,4015.3 5893.83,4046.49 R13_IO3.2@5893.83,4074.72
NetP1_IO3_129: P1_IO3.129 R5_IO3.2 | length 150
  Top Layer w10: P1_IO3.129@5802.89,3929.72 5802.89,4055.77 R5_IO3.2@5819.83,4072.72
NetP1_IO3_134: P1_IO3.134 R4_IO3.2 | length 150.6
  Top Layer w10: P1_IO3.134@5704.46,3929.72 5704.46,4054.34 R4_IO3.2@5722.83,4072.72
NetP1_IO3_136: P1_IO3.136 R3_IO3.2 | length 152.6
  Top Layer w10: R3_IO3.2@5641.83,4072.72 5665.09,4049.46 P1_IO3.136@5665.09,3929.72
NetP1_IO3_138: P1_IO3.138 R2_IO3.2 | length 161.2
  Top Layer w10: R2_IO3.2@5581.83,4072.72 5625.72,4028.83 P1_IO3.138@5625.72,3929.72